# Altium PCB MotorDriver.PcbDoc
Units mil, origin at the board's own origin, x right, y up, seen from the top; angles counter-clockwise.
Board outline 3311.03 x 1798.03 mil, 2 copper layers (Top Layer, Bottom Layer); 56 components, 41 nets, 168 pads, 130 vias.
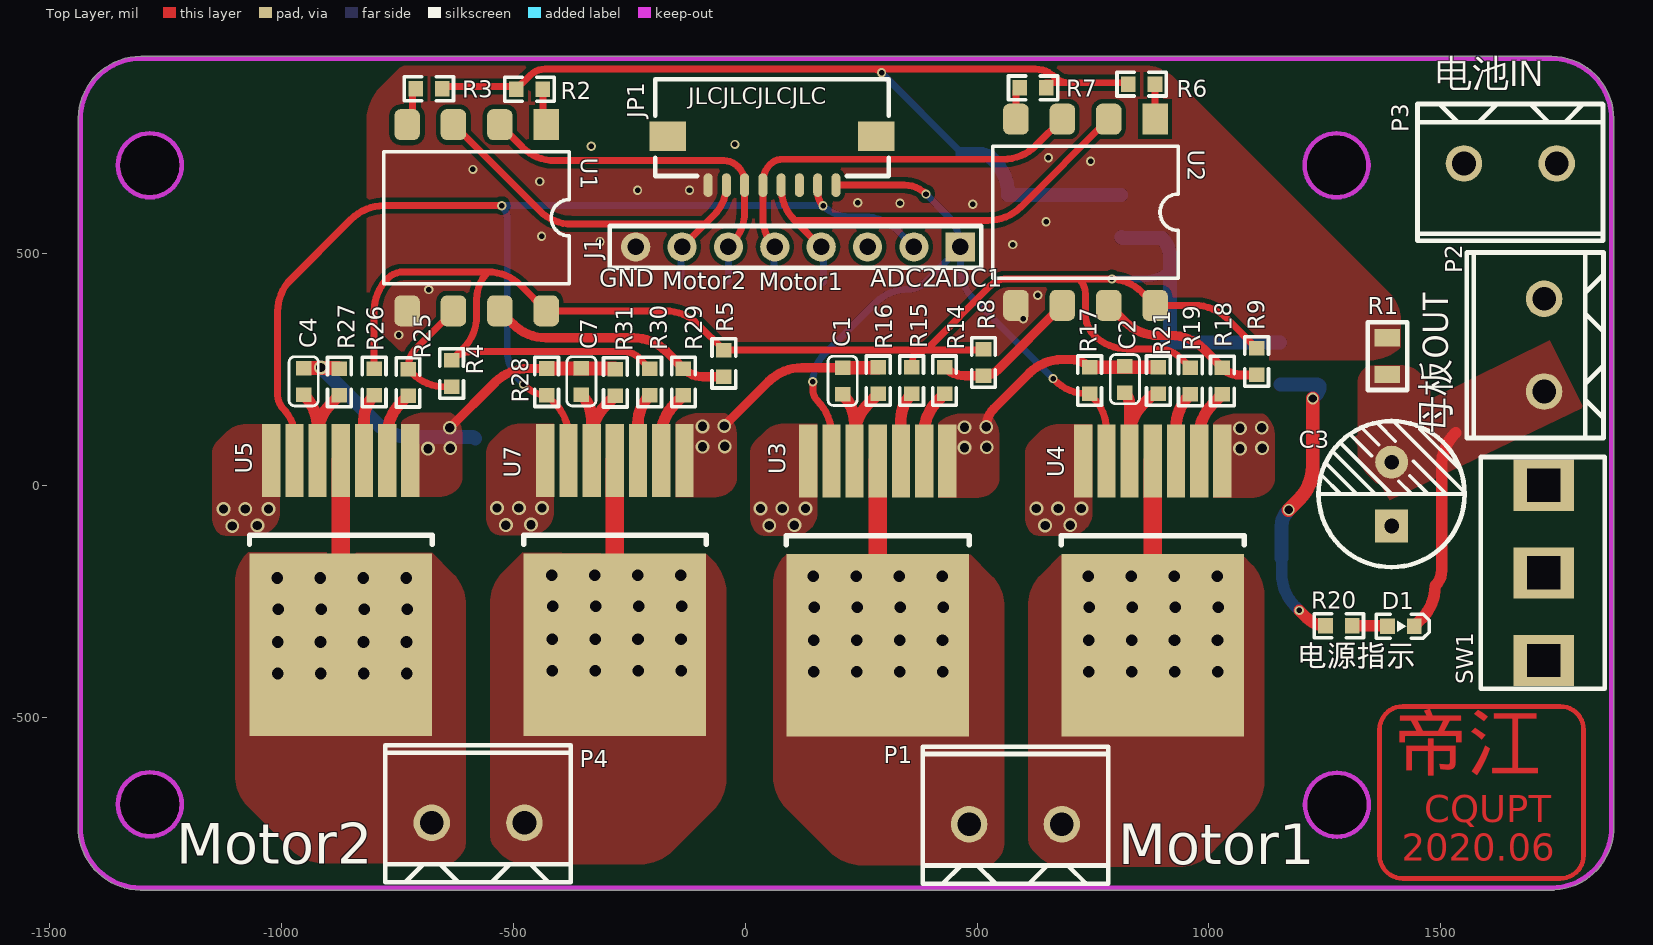
[diagram p0: Top Layer view]
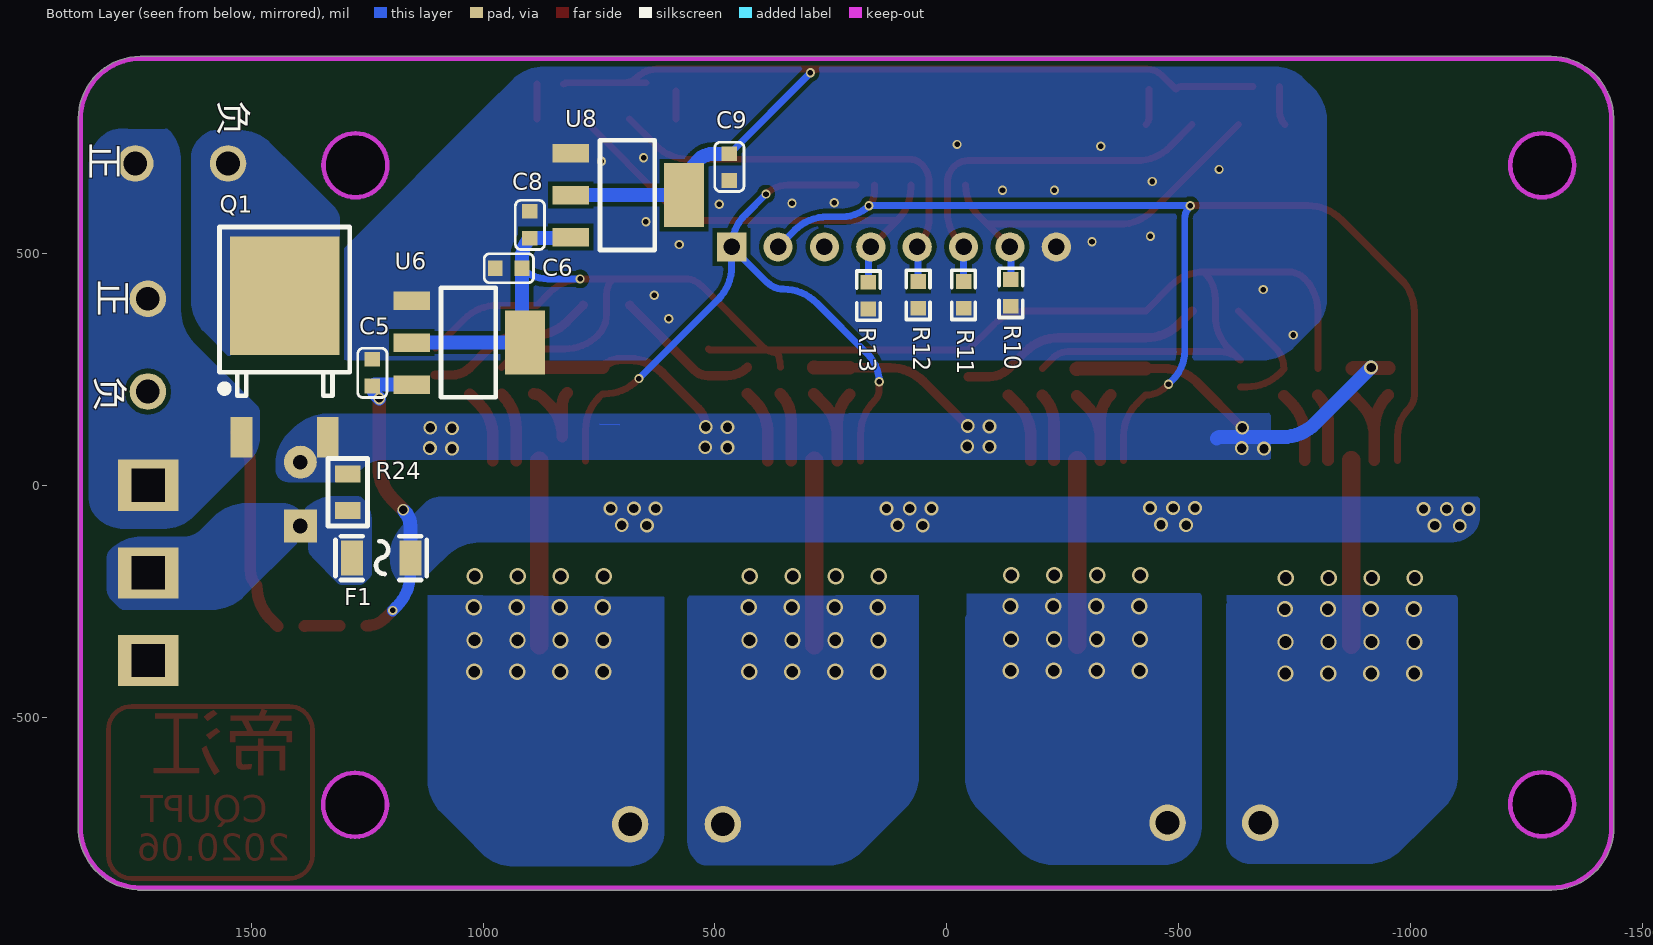
[diagram p1: Bottom Layer view, seen from below]
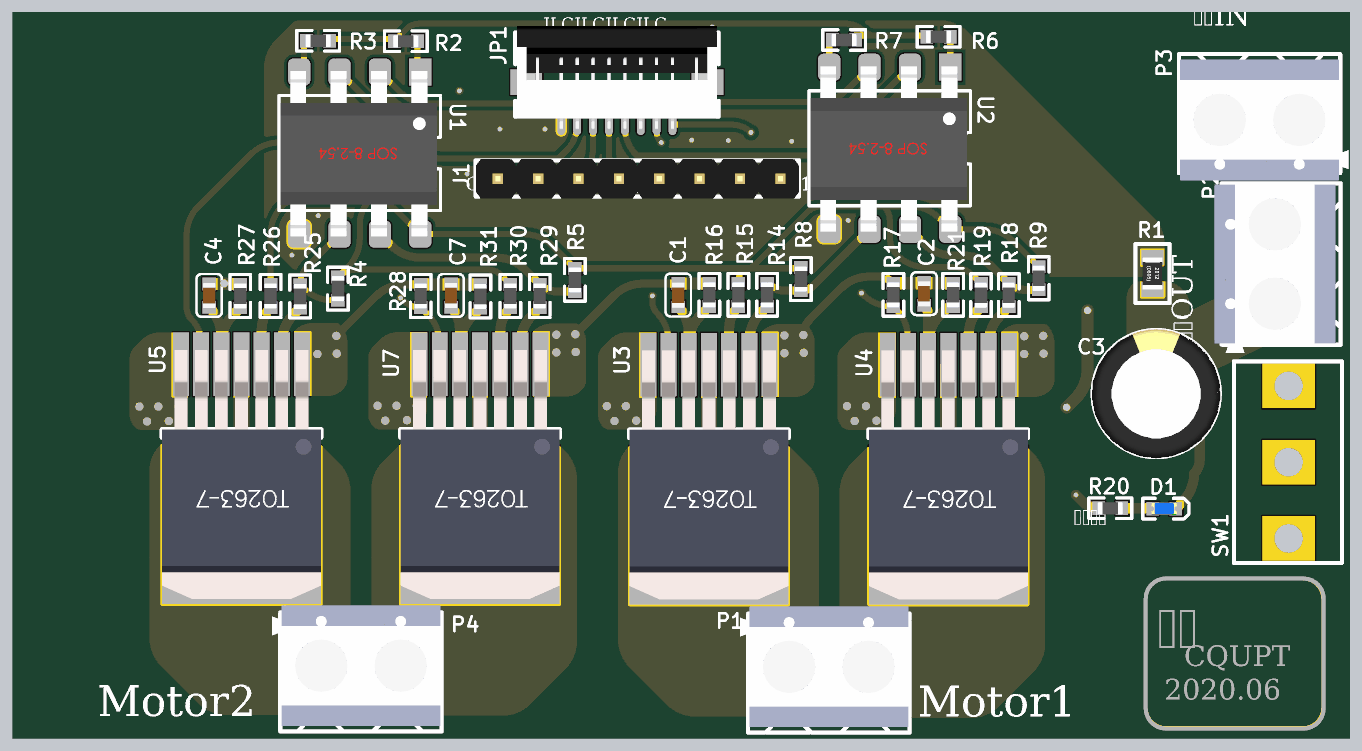
[diagram p2: 3D render of the assembled board from above, using the file's embedded part models]
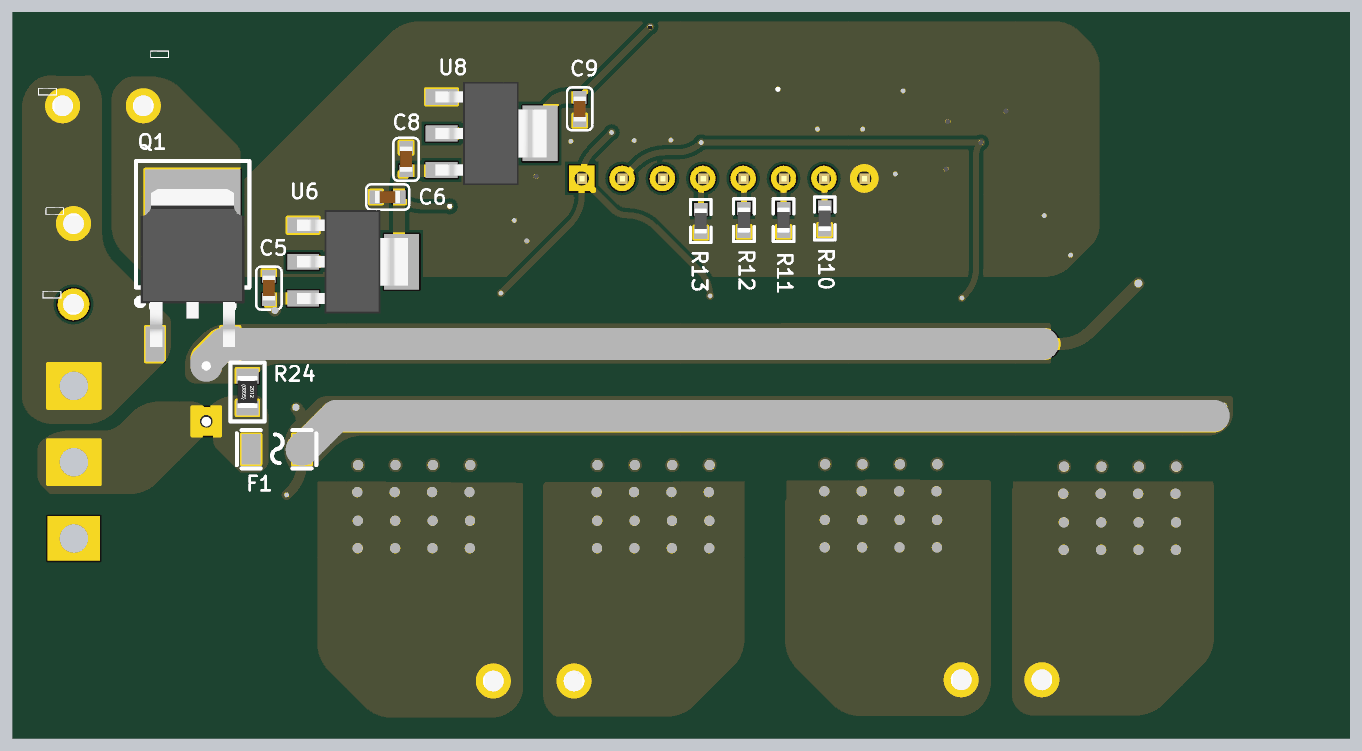
[diagram p3: 3D render of the assembled board from below, using the file's embedded part models]

## Layer stack, top to bottom
Top Solder: solder mask 0.4, Solder Resist, Dk 3.5
Top Layer: signal copper 1.4
Dielectric 1: dielectric 12.6, FR-4, Dk 4.8
Bottom Layer: signal copper 1.4
Bottom Solder: solder mask 0.4, Solder Resist, Dk 3.5

## Board outline
-1303.98,-871.93 cw(c-1303.08,-737) -1437.74,-745.64 cw(c-1433,-744) -1438.01,-744 -1438.01,792 cw(c-1433,792) -1437.92,792.95 cw(c-1303,791.08) -1303,926.01 1738,926.01 cw(c1738,921) 1738.9,925.93 cw(c1738.08,791) 1873.01,791 1873.01,-743 cw(c1868,-743) 1872.72,-744.71 cw(c1738,-737) 1745.71,-871.72 cw(c1744,-867) 1744,-872.01 -1303.08,-872.01 cw(c-1303.08,-867)
cut-out: -1283.71,-755.9 cw(c-1283.71,-687) -1352.61,-687 cw(c-1283.71,-687) -1283.71,-618.1 cw(c-1283.71,-687) -1214.81,-687 cw(c-1283.71,-687)
cut-out: -1283.71,622.1 cw(c-1283.71,691) -1352.61,691 cw(c-1283.71,691) -1283.71,759.9 cw(c-1283.71,691) -1214.81,691 cw(c-1283.71,691)
cut-out: 1207.39,-688 ccw(c1276.29,-688) 1276.29,-756.9 ccw(c1276.29,-688) 1345.19,-688 ccw(c1276.29,-688) 1276.29,-619.1 ccw(c1276.29,-688)
cut-out: 1275.29,622.1 cw(c1275.29,691) 1206.39,691 cw(c1275.29,691) 1275.29,759.9 cw(c1275.29,691) 1344.19,691 cw(c1275.29,691)

## Design rules (kind name [scope] priority, off if disabled: settings)
Clearance [All] p1: gap=10
PolygonConnect [All] p1: connectstyle=Direct reliefconductorwidth=10 reliefentries=4 polygonreliefangle="90 Angle" airgapwidth=10
RoutingVias [All] p1: holewidth=28 width=50 viastyle="Through Hole" minholewidth=28 minwidth=50 maxholewidth=28 maxwidth=50
SolderMaskExpansion [All] p1: expansion=4
Width [All] p1: maxlimit=500 minlimit=10 preferedwidth=20
30 further rules are at their usual default settings.

## Components (designator, comment, footprint, x,y, rotation, side; value= is the part's Value field where it differs from the comment)
C1 "104" CAP_0603 210,225.74 r270 top
C2 "104" CAP_0603 819,229.26 r270 top
C3 "470uF/35V" CAPE_TH_3.5_8 1394,-18 r90 top
C4 "104" CAP_0603 -952,224.74 r270 top
C5 "10uF/25V" CAP_0603 1239,243.74 r90 bottom
C6 "0.1uF/16V" CAP_0603 945,469 r0 bottom
C7 "104" CAP_0603 -353,224.74 r270 top
C8 "10uF/25V" CAP_0603 899,562.74 r90 bottom
C9 "0.1uF/16V" CAP_0603 469,687 r270 bottom
D1 "LED" LED_0603_B 1414,-303 r180 top
F1 "2A/16V" F1206 1219.99,-156 r0 bottom
J1 "Header" "Header 2.54X8" 114,515 r180 top
JP1 "FPC_8pin" FPC_1.0_8P 58,701 r180 top
P1 "KF-2P-5.08" KF_2P-5.08 583,-729.99 r0 top
P2 "KF-2P-5.08" KF_2P-5.08 1723,303 r90 top
P3 "KF-2P-5.08" KF_2P-5.08 1650,695 r180 top
P4 "KF-2P-5.08" KF_2P-5.08 -576,-727 r0 top
Q1 "IRLR7843TRPBF" TO-252-2 1428,257 r180 bottom
R1 "0Ω" RES_0805 1385,279.37 r270 top
R2 "390" RES_0603 -465,855 r180 top
R3 "390" RES_0603 -682,856 r0 top
R4 "390" RES_0603 -633,242 r90 top
R5 "390" RES_0603 -46,263.74 r90 top
R6 "390" RES_0603 855,866 r180 top
R7 "390" RES_0603 621,858 r0 top
R8 "390" RES_0603 514,265.74 r90 top
R9 "390" RES_0603 1103,267.74 r90 top
R10 "4.7k" RES_0603 -138,416 r90 bottom
R11 "4.7k" RES_0603 -36,411.74 r90 bottom
R12 "4.7k" RES_0603 62,411.74 r90 bottom
R13 "4.7k" RES_0603 169,409.74 r90 bottom
R14 "10k" RES_0603 430,226.74 r90 top
R15 "10k" RES_0603 359,226.74 r90 top
R16 "510" RES_0603 287,226.74 r90 top
R17 "470" RES_0603 743,226.74 r270 top
R18 "10k" RES_0603 1029,225.74 r90 top
R19 "10k" RES_0603 960,225.74 r90 top
R20 "2k" RES_0603 1280.26,-302 r0 top
R21 "510" RES_0603 891,226.74 r90 top
R24 "2M" RES_0805 1292,-14 r270 bottom
R25 "10k" RES_0603 -727,222.74 r90 top
R26 "10k" RES_0603 -800,223.74 r90 top
R27 "510" RES_0603 -875,223.74 r90 top
R28 "470" RES_0603 -428,224 r270 top
R29 "10k" RES_0603 -133,223.74 r90 top
R30 "10k" RES_0603 -206,223.74 r90 top
R31 "510" RES_0603 -280,222.74 r90 top
SW1 "PowerSwitch" SW-TH_K3-1260D-K1 1722,-188 r180 top
U1 "HCPL2630SD" SOP8_2_54 -429,778.57 r270 top
U2 "HCPL2630SD" SOP8_2_54 884,790.57 r270 top
U3 "BTN7971" TO263_7 286,-281 r270 top
U4 "BTN7971" TO263_7 879,-281 r270 top
U5 "BTN7971" TO263_7 -872,-280.01 r270 top
U6 "AMS1117-5.0" SOT-223_3 1031.95,308.55 r0 bottom
U7 "BTN7971" TO263_7 -281,-280.01 r270 top
U8 "AMS1117-3.3" SOT-223_3 688.95,626.55 r0 bottom

## Footprints (in the part's own frame and the unit in brackets; to place one, negate y for a bottom-side part, rotate by r counter-clockwise, add the part's x,y. Pads: shape width x height; smd on the part's side, far side on the other; paste and mask are expansions set on the pad)
CAP_0603 [mm]
  rect 0.8x0.85 smd: 1(-0.73,0) 2(0.73,0)
  silkscreen extent -1.36,-0.8 1.34,0.8, body extent -0.8,-0.4 0.8,0.4, height 0.6
CAPE_TH_3.5_8 [mm] "8X12"
  rect 1.8x1.8 hole 0.8: 1(-1.75,0)
  round 1.8 hole 0.8: 2(1.75,0)
  silkscreen extent -4,-4 4,4, body extent -4.08,-4.06 4.05,4.06, height 11.8
F1206 [mm]
  rect 1.2x1.9 smd: 1(-1.6,0) 2(1.6,0)
  silkscreen extent -2.5,-1.2 2.5,1.2
FPC_1.0_8P [mm]
  oval 0.5x1.3 smd: 1(-3.5,1.34) 2(-2.5,1.34) 3(-1.5,1.34) 4(-0.5,1.34) 5(0.5,1.34) 6(1.5,1.34) 7(2.5,1.34) 8(3.5,1.34)
  rect 2x1.6 smd: 9(-5.7,-1.34) 10(5.7,-1.34)
  silkscreen extent -6.4,-4.46 6.4,0.84, body extent -6.3,-4.86 6.3,1.64, height 2.2
"Header 2.54X8" [mm]
  rect 1.6x1.6 hole 0.9: 1(-8.89,0)
  round 1.6 hole 0.9: 2(-6.35,0) 3(-3.81,0) 4(-1.27,0) 5(1.27,0) 6(3.81,0) 7(6.35,0) 8(8.89,0)
  silkscreen extent -10.03,-1.14 10.31,1.14, body extent -10.03,-1.23 10.29,1.27, height 8.3
KF_2P-5.08 [mm] "WJ500V-5.08-2P"
  round 2 hole 1.3: 1(-2.54,0) 2(2.54,0)
  silkscreen extent -5.08,-3.25 5.08,4.24, body extent -5.6,-2.91 5,4.69, height 10.1
LED_0603_B [mm]
  rect 0.8x0.85 smd: A(0.73,0) C(-0.73,0)
  silkscreen extent -1.55,-0.65 1.35,0.65, body extent -0.81,-0.4 0.81,0.4, height 0.6
RES_0603 [mm]
  rect 0.8x0.85 smd: 1(-0.73,0) 2(0.73,0)
  silkscreen extent -1.35,-0.65 1.35,0.65, body extent -0.8,-0.4 0.8,0.4, height 0.38
RES_0805 [mm]
  rect 0.95x1.4 smd: 1(-1,0) 2(1,0)
  silkscreen extent -1.85,-1.08 1.85,1.08, body extent -1,-0.62 1,0.63, height 0.45
SOP8_2_54 [mm]
  rect 1.7x1.4 smd: 1(0,0)
  rrect50% 1.7x1.4 smd: 2(0,-2.54) 3(0,-5.08) 4(0,-7.62) 5(10.2,-7.62) 6(10.2,-5.08) 7(10.2,-2.54) 8(10.2,0)
  silkscreen extent 1.48,-8.89 8.72,1.27, body extent -0.06,-8.8 10.34,1.06, height 3
SOT-223_3 [mm]
  rect 2x1 smd: 1(3.1,-2.3) 2(3.1,0) 3(3.1,2.3)
  rect 2.2x3.5 smd: 4(-3.1,0)
  silkscreen extent -1.5,-3 1.5,3, body extent -3.5,-3.25 3.5,3.25, height 1.64
SW-TH_K3-1260D-K1 [mm]
  rect 3.3x2.8 hole 1.8 square: 1(0,4.8) 2(0,0) 3(0,-4.8)
  silkscreen extent -3.35,-6.35 3.44,6.35
TO263_7 [mm]
  rect 4x1 smd: 1(-8.5,3.81) 2(-8.5,2.54) 3(-8.5,1.27) 4(-8.5,0) 5(-8.5,-1.27) 6(-8.5,-2.54) 7(-8.5,-3.81)
  rect 10x10 smd: 8(1.6,0)
  silkscreen extent -4.4,-5 -3.9,5, body extent -9.4,-5 6.27,5, height 4.78
TO-252-2 [mil]
  rect 47.24x86.62 smd: 1(-93,-152.6) 3(93,-152.4)
  rect 236.22x255.9 smd: 4(0,152.6)
  silkscreen extent -141,-63 141,301, body extent -129,-160 129,231, height 94

## Part data
C1 C2 C4 C5 C6 C7 C8 C9: library part CAP_0603
C3: library part CAP_E_DIP, "直插电解电容"
D1: library part LED_0603, "发光LED"
F1: library part JK-NSMD100-16V
J1: library part "Header 2.54_8"
P1 P2 P3 P4: "端子2P"
Q1: "MOS管"
R1 R24: library part RES_0805
R2 R3 R4 R5 R6 R7 R8 R9 R10 R11 R12 R13 R14 R15 R16 R17 R18 R19 R20 R21 R25 R26 R27 R28 R29 R30 R31: library part RES_0603

## Via types
v1: diameter 35, hole 25, Top Layer to Bottom Layer, tented both sides, 64 vias
v2: diameter 30, hole 20, Top Layer to Bottom Layer, tented both sides, 36 vias
v3: diameter 20, hole 12, Top Layer to Bottom Layer, tented both sides, 28 vias
v4: diameter 25, hole 18, Top Layer to Bottom Layer, tented both sides, 2 vias

## Nets (pads, with @x,y where several pads share a name; then routed paths per layer and width w, separated by ;. In a path a pad name is that pad's centre, name@x,y a point inside that pad or via, vN(x,y) a via of type N, cw(c..) or ccw(c..) an arc to the next point about the centre after c; other vN are vias at no path point)
7.2V: C5.1 F1.1 R20.1 U3.7 U4.7 U5.7 U6.3 U7.7 | length 671.7
  Top Layer w25: v3(1195,-269) 1211.37,-285.37 ccw(c1251.52,-245.22) R20.1
  Top Layer w30: v4(1172,-52) 1194.71,-29.29 ccw(c1124,41.42) 1224,41.42 v4(1224,188)
  Bottom Layer w25: F1.1 1157,-189.58 ccw(c1257,-189.58) 1186.29,-260.29 v3(1195,-269)
  Bottom Layer w30: U6.3 1231.76,218 cw(c1231.76,207.76) C5.1 cw(c1210.03,215) 1230.51,194.51 v4(1224,188) ; F1.1 1157,-86.38 cw(c1201.38,-86.38) v4@1170,-55
  other v2: -1106,-87 -1052,-86 52,-86 647,-86 -516,-85 106,-85 701,-85 -462,-84 -1125,-50 -1078,-50 -1028,-50 33,-49 80,-49 130,-49 628,-49 675,-49 725,-49 -535,-48 -488,-48 -438,-48
ADC1: J1.1 JP1.1 R17.2 U3.6 U4.6 | length 1575.7
  Top Layer w15: v3(146,224) 146,208.15 ccw(c182.57,208.15) 156.71,182.29 cw(c86,111.58) 186,111.58 U3.6 ; JP1.1 343.54,648.24 cw(c343.54,582.54) v3(390,629) ; v3(664,231) 667.71,227.29 ccw(c738.42,298) 738.42,198 R17.2 749.71,191.29 cw(c679,120.58) 779,120.58 U4.6
  Bottom Layer w15: v3(146,224) cw(c230.5,224) 170.75,283.75 281.71,394.71 cw(c352.42,324) 352.42,424 ccw(c352.42,473.68) 387.55,438.55 J1.1 ; v3(390,629) 435.72,583.28 cw(c367.43,515) J1.1 ; v3(664,231) 493.29,401.71 cw(c564,472.42) 464,472.42 J1.1
ADC2: J1.2 JP1.2 R28.2 U5.6 U7.6 | length 2500.7
  Top Layer w15: U5.6 -972,108.06 ccw(c-1053.94,108.06) -996,166 cw(c-967.03,194.97) -1008,194.97 -1008,375.58 cw(c-908,375.58) -986.36,437.7 -849.35,574.71 cw(c-778.64,504) -778.64,604 v3(-525,604) ; v3(-478,219) -472.83,213.83 ccw(c-428,258.66) R28.2 -410.29,177.55 cw(c-481,106.84) -381,106.84 U7.6 ; JP1.2 156.43,631.94 ccw(c195.94,631.94) v3(168,604)
  Bottom Layer w15: v3(-478,219) -486.76,227.76 cw(c-423.4,291.11) -513,291.11 -513,575.03 ccw(c-553.97,575.03) v3(-525,604) v3(168,604) ccw(c225.94,661.94) 225.94,580 257.58,580 cw(c257.58,480) 328.29,550.71 J1.2
GND: C5.2 C6.2 C8.2 C9.2 J1.8 JP1.8 R1.1 R10.1 R11.1 R12.1 R13.1 U1.5 U2.5 U6.1 U8.1
  other v3: -747,325 600,360 631,411 -682,423 577,520 -313,526 -439,538 649,569 491,607 334,609 243,610 -232,637 -120,637 -443,656 -587,682 745,700 654,707 -332,732 -22,736
MOTOR1+: P1.2 U4.4 U4.8 | length 397.6
  Top Layer w40: U4.8 U4.4
  other v1: 741,-401 833.67,-401 926.33,-401 1019,-401 740.67,-333 833.33,-333 926,-333 1018.67,-333 742,-262 834.67,-262 927.33,-262 1020,-262 740,-195 832.67,-195 925.33,-195 1018,-195
MOTOR1-: P1.1 U3.4 U3.8 | length 397.6
  Top Layer w40: U3.8 U3.4
  other v1: 148,-401 240.67,-401 333.33,-401 426,-401 147.67,-333 240.33,-333 333,-333 425.67,-333 149,-262 241.67,-262 334.33,-262 427,-262 147,-195 239.67,-195 332.33,-195 425,-195
MOTOR2+: P4.2 U7.4 U7.8 | length 397.6
  Top Layer w40: U7.8 U7.4
  other v1: -416,-399 -323.33,-399 -230.67,-399 -138,-399 -416.33,-331 -323.67,-331 -231,-331 -138.33,-331 -415,-260 -322.33,-260 -229.67,-260 -137,-260 -417,-193 -324.33,-193 -231.67,-193 -139,-193
MOTOR2-: P4.1 U5.4 U5.8 | length 397.6
  Top Layer w40: U5.8 U5.4
  other v1: -1008,-405 -915.33,-405 -822.67,-405 -730,-405 -1008.33,-337 -915.67,-337 -823,-337 -730.33,-337 -1007,-266 -914.33,-266 -821.67,-266 -729,-266 -1009,-199 -916.33,-199 -823.67,-199 -731,-199
NetC1_2: C1.2 R16.1 U3.5 | length 259.5
  Top Layer w25: C1.2 cw(c147.23,134.23) 236,134.23 U3.5@236,105.58 ; U3.5 U3.5@236,105.58 ; R16.1 265.29,176.29 ccw(c336,105.58) U3.5@236,105.58
NetC2_2: C2.2 R21.1 U4.5 | length 216.7
  Top Layer w25: C2.2 cw(c794.86,176.38) 829,176.38 829,105.58 cw(c929,105.58) 858.29,176.29 872.22,190.22 cw(c891,171.44) R21.1
NetC3_1: C3.1 F1.2 R24.2 SW1.2
NetC4_2: C4.2 R27.1 U5.5 | length 253.1
  Top Layer w25: C4.2 -951.29,195.29 cw(c-1022,124.58) -922,124.58 U5.5@-922,106.58 ; U5.5 U5.5@-922,106.58 ; R27.1 -892.71,177.29 ccw(c-822,106.58) U5.5@-922,106.58
NetC7_2: C7.2 R31.1 U7.5 | length 256.5
  Top Layer w25: C7.2 cw(c-406.11,142.89) -331,142.89 U7.5@-331,101.58 ; U7.5 U7.5@-331,101.58 ; R31.1 -301.71,172.29 ccw(c-231,101.58) U7.5@-331,101.58
NetD1_A: D1.A R20.2 | length 76.5
  Top Layer w25: R20.2 1382.85,-302 cw(c1382.85,-305.41) D1.A
NetD2_A: 
NetD3_A: 
NetR2_1: R2.1 U1.1 | length 78.4
  Top Layer w15: R2.1 -436.26,796.1 ccw(c-411.47,796.1) U1.1
NetR3_1: R3.1 U1.4 | length 85.4
  Top Layer w15: U1.4 ccw(c-756.18,805.76) -717.74,805.76 R3.1@-717.74,861
NetR6_1: R6.1 U2.1 | length 75.5
  Top Layer w15: R6.1 883.74,790.83 U2.1
NetR7_1: R7.1 U2.4 | length 60.9
  Top Layer w15: U2.4 R7.1@584,851.47
NetR14_1: R14.1 U3.2 | length 158.3
  Top Layer w25: U3.2 386,112.58 cw(c486,112.58) 415.29,183.29 R14.1
NetR15_1: R15.1 U3.3 | length 150.5
  Top Layer w25: U3.3 336,142.47 cw(c414.53,142.47) R15.1
NetR18_1: R18.1 U4.2 | length 159.8
  Top Layer w25: U4.2 979,105.58 cw(c1079,105.58) 1008.29,176.29 R18.1
NetR19_1: R19.1 U4.3 | length 151.9
  Top Layer w25: U4.3 929,124.58 cw(c1029,124.58) 958.29,195.29 R19.1
NetR25_1: R25.1 U5.2 | length 153.7
  Top Layer w25: U5.2 -772,107.58 cw(c-672,107.58) -742.71,178.29 R25.1
NetR26_1: R26.1 U5.3 | length 146.2
  Top Layer w25: U5.3 -822,141.89 cw(c-746.89,141.89) R26.1
NetR29_1: R29.1 U7.2 | length 155.9
  Top Layer w25: U7.2 -181,105.58 cw(c-81,105.58) -151.71,176.29 R29.1
NetR30_1: R30.1 U7.3 | length 147
  Top Layer w25: U7.3 -231,134.64 cw(c-145.64,134.64) R30.1
P1+: R9.1 R18.2 U2.7 | length 370.3
  Top Layer w20: U2.7 819.71,353.29 ccw(c890.42,424) 890.42,324 918.06,324 cw(c918.06,224) 988.77,294.71 R18.2 ccw(c1066.37,291.85) 1066.37,239 R9.1
P1-: R8.1 R14.2 U2.6 | length 320
  Top Layer w20: R14.2 ccw(c474.62,300.1) 474.62,237 R8.1 ccw(c514,280.46) 544.73,249.73 U2.6
P2+: R5.1 R29.2 U1.7 | length 530.6
  Top Layer w20: U1.7 -500.29,348.29 ccw(c-429.58,419) -429.58,319 -240.94,319 cw(c-240.94,219) -170.23,289.71 R29.2 ccw(c-90.8,294.68) -90.8,235 R5.1
P2-: R4.1 R25.2 U1.6 | length 268.8
  Top Layer w15: R4.1 -647.36,213.26 cw(c-647.36,313.26) -718.07,242.55 R25.2 cw(c-660.56,251.48) -707.54,298.46 U1.6
PGND: C1.1 C2.1 C3.2 C4.1 C7.1 D1.C P2.1 Q1.3 R1.2 R16.2 R17.1 R21.2 R24.1 R27.2 R28.1 R31.2 U3.1 U4.1 U5.1 U7.1 | length 2140.4
  Top Layer w20: v2(-637,125) -538.55,223.45 cw(c-467.84,152.74) -467.84,252.74 R28.1 ; v2(-45,129) 51.19,225.19 cw(c121.9,154.48) 121.9,254.48 C1.1 ; v2(520,127) cw(c575.53,127) 536.26,166.26 612.71,242.71 cw(c683.42,172) 683.42,272 703.12,272 cw(c703.12,215.6) R17.1
  Top Layer w25: D1.C 1458.71,-287.03 ccw(c1388,-216.32) 1488,-216.32 ccw(c1454.2,-182.52) 1502,-182.52 1502,42.58 cw(c1602,42.58) 1531.29,113.29 1532,114
  Top Layer w30: C4.1 -877.41,253.48 cw(c-877.41,250.07) R27.2 ; R28.1 -283.04,252.74 cw(c-283.04,248.44) R31.2 ; C1.1 284.59,254.48 ccw(c284.59,257.89) R16.2 ; R17.1 R21.2
  Bottom Layer w30: v2(-915,255) -794.29,134.29 ccw(c-723.58,205) -723.58,105 -589.24,105 cw(c-589.24,94.76) -582,102
  other v2: -684,80 1067,80 -636,81 1115,81 473,82 521,83 -92,84 -44,85 1067,124 1114,125 473,126 -92,128
POWERIN: P2.2 P3.1 Q1.1 SW1.3
PWM1+: J1.4 JP1.4 R13.2 U2.2 | length 1005.8
  Top Layer w15: JP1.4 77.69,642.74 ccw(c177.69,642.74) 106.97,572.03 ; J1.4 106.97,572.03 ; U2.2 594.74,601.31 cw(c524.03,672.03) 524.03,572.03 106.97,572.03
  Bottom Layer w15: J1.4 cw(c151.93,502.93) 169,502.93 R13.2
PWM1-: J1.5 JP1.5 R12.2 U2.3 | length 928.6
  Top Layer w15: J1.5 cw(c126.01,577.01) 38.31,577.01 JP1.5 38.31,655.13 cw(c91.87,655.13) 54,693 cw(c80.56,666.44) 80.56,704 556,704 ccw(c556,804) 626.71,733.29 U2.3
  Bottom Layer w15: R12.2 62,510.17 cw(c68.83,510.17) J1.5
PWM2+: J1.6 JP1.6 R11.2 U1.2 | length 806.8
  Top Layer w15: U1.2 -480.71,730.29 ccw(c-410,801) -410,701 -46,701 cw(c-46,657.54) -15.27,688.27 -15,688 cw(c-48.67,654.33) -1.06,654.33 JP1.6 -1.06,591.37 cw(c-101.06,591.37) -30.34,520.66 J1.6
  Bottom Layer w15: R11.2 J1.6
PWM2-: J1.7 JP1.7 R10.2 U1.3 | length 866.3
  Top Layer w15: U1.3 -443.71,593.29 ccw(c-373,664) -373,564 -87,564 ; J1.7 -87,564 ; JP1.7 cw(c-131.37,648.24) -67.06,583.94 -87,564
  Bottom Layer w15: R10.2 -138,510.17 cw(c-131.17,510.17) J1.7
VCC_3.3V: C9.1 R2.2 R3.2 R6.2 R7.2 U8.2 U8.4 | length 2228.6
  Top Layer w15: R3.2@-660.26,861 -508.23,861 cw(c-508.23,840.51) R2.2 -463.14,885.6 cw(c-432,854.46) -432,898.5 275,898.5 ; v3(294.19,890.55) ccw(c275,871.36) 275,898.5 ; R7.2@648.74,869 696.97,869 ; R6.2 ccw(c819.02,858.76) 819.02,869 696.97,869 ; 275,898.5 625.75,898.5 cw(c625.75,838.75) 668,881 ccw(c696.97,909.97) 696.97,869
  Bottom Layer w15: v3(294.19,890.55) C9.1
  Bottom Layer w30: C9.1 504.24,715.74 cw(c504.24,672.24) 535,703 537.62,700.38 cw(c466.91,629.67) 566.91,629.67 U8.4 U8.2
VCC_5V: C6.1 C8.1 R4.2 R5.2 R8.2 R9.2 R15.2 R19.2 R26.2 R30.2 U1.8 U2.8 U6.2 U6.4 U8.3 | length 4153.1
  Top Layer w15: R26.2 -800,376.99 cw(c-700.99,376.99) -771,447 cw(c-737.2,413.2) -737.2,461 -554.42,461 ; R30.2 -230.16,276.64 ccw(c-260,246.8) -260,289 -588.92,289 ccw(c-588.92,226.66) R4.2 -608.29,295.45 ccw(c-679,366.16) -579,366.16 -579,401.66 cw(c-495.08,401.66) -554.42,461 ; R15.2 359,256.27 cw(c410.21,256.27) 361.43,271.86 cw(c391.78,271.86) 365.48,287 ccw(c365.48,334.13) 387.54,292.48 ; R8.2 cw(c509.17,299.31) 509.17,292.48 387.54,292.48 ; R19.2 939.62,274.86 ccw(c891,226.24) 891,295 823.42,295 cw(c823.42,395) 752.71,324.29 cw(c797.88,369.46) 734,369.46 734,412.2 ccw(c686.2,412.2) 720,446 ; R9.2 1039.77,359.71 ccw(c969.06,289) 969.06,389 U2.8 856.29,416.71 ccw(c785.58,346) 785.58,446 720,446 ; -554.42,461 cw(c-554.42,361) -483.71,431.71 U1.8 -171.94,377 cw(c-171.94,277) -101.23,347.71 R5.2 387.54,292.48 ; 387.54,292.48 ccw(c365.48,334.13) 398.8,300.8 529.56,431.56 cw(c564.42,396.7) 564.42,446 720,446
  Bottom Layer w15: v3(791,446) 860.73,446 ccw(c860.73,524.53) C6.1
  Bottom Layer w30: U8.3 ccw(c815.83,540.83) 815.83,534 C8.1 cw(c857.33,492.33) 916.26,492.33 C6.1 916.26,323.89 cw(c894.56,323.89) U6.4 U6.2
VEE: P3.2 Q1.4
pads on no net: J1.3 JP1.3 JP1.9 JP1.10 SW1.1
copper on no net: | length 1534.2
  Top Layer w10: 1418,-476 ccw(c1418,-526) 1368,-526 1368,-797 ccw(c1418,-797) 1418,-847 1758,-847 ccw(c1758,-797) 1808,-797 1808,-526 ccw(c1758,-526) 1758,-476 1420,-476

## Polygon pours and split planes (outlines as drawn)
GND on Top Layer "Top Layer-No Net" (solid, remove dead copper, pour order 72): 1414,299 cw(c1346.4,366.6) 1346.4,271 1216,271 -683.58,271 cw(c-683.58,371) -754.29,300.29 -809,355 cw(c-792.1,371.9) -816,371.9 -816,511 -816,788.58 cw(c-716,788.58) -786.71,859.29 -747,899 cw(c-727.69,879.69) -727.69,907 -666,907 856.58,907 cw(c856.58,807) 927.29,877.71 1078,727 1389.25,415.75 cw(c1329.5,356) 1414,356
PGND on Top Layer "Top Layer-No Net" (solid, remove dead copper, pour order 70): 1357,260 1414,260 cw(c1414,202.06) 1454.97,243.03 1463,235 cw(c1429.2,201.2) 1477,201.2 1477,107 cw(c1419.06,107) 1460.03,66.03 1406,12 cw(c1386.69,31.31) 1386.69,4 1367,4 cw(c1367,13.66) 1360.17,6.83 1341,26 cw(c1389.28,74.28) 1321,74.28 1321,221 cw(c1362.04,221) 1333.02,250.02 1342,259
PGND on Top Layer "Top Layer-No Net" (solid, remove dead copper, pour order 64): 1751,281 1807,169 1390.2,-31.2 1310,104 1734.8,313.4
PGND on Top Layer "Top Layer-No Net" (solid, remove dead copper, pour order 44): 1010,-26 1043,-26 1092.37,-26 ccw(c1092.37,28.63) 1131,-10 ccw(c1104.44,16.56) 1142,16.56 1142,32 1142,106.13 ccw(c1077.13,106.13) 1123,152 ccw(c1115.76,144.76) 1115.76,155 1063,155 1058.28,155 ccw(c1058.28,86.72) 1010,135
PGND on Top Layer "Top Layer-No Net" (solid, remove dead copper, pour order 42): 416,-26.26 449,-26.26 498.37,-26.26 ccw(c498.37,28.37) 537,-10.26 ccw(c510.44,16.3) 548,16.3 548,31.74 548,105.87 ccw(c483.13,105.87) 529,151.74 ccw(c521.76,144.5) 521.76,154.74 469,154.74 464.28,154.74 ccw(c464.28,86.46) 416,134.74
PGND on Top Layer "Top Layer-No Net" (solid, remove dead copper, pour order 40): -150,-25.26 -117,-25.26 -67.63,-25.26 ccw(c-67.63,29.37) -29,-9.26 ccw(c-55.56,17.3) -18,17.3 -18,32.74 -18,106.87 ccw(c-82.87,106.87) -37,152.74 ccw(c-44.24,145.5) -44.24,155.74 -97,155.74 -101.72,155.74 ccw(c-101.72,87.46) -150,135.74
PGND on Top Layer "Top Layer-No Net" (solid, remove dead copper, pour order 38): -742,-24 -709,-24 -659.63,-24 ccw(c-659.63,30.63) -621,-8 ccw(c-647.56,18.56) -610,18.56 -610,34 -610,108.13 ccw(c-674.87,108.13) -629,154 ccw(c-636.24,146.76) -636.24,157 -689,157 -693.72,157 ccw(c-693.72,88.72) -742,137
7.2V on Top Layer "Top Layer-No Net" (solid, remove dead copper, pour order 30): -1004,133 -1077,133 ccw(c-1077,75.06) -1117.97,116.03 -1138,96 ccw(c-1111.44,69.44) -1149,69.44 -1149,-19 -1149,-69.62 ccw(c-1104.62,-69.62) -1136,-101 ccw(c-1119.1,-84.1) -1119.1,-108 -1061,-108 -1056.63,-108 ccw(c-1056.63,-53.37) -1018,-92 ccw(c-1051.8,-58.2) -1004,-58.2 -1004,-46
7.2V on Top Layer "Top Layer-No Net" (solid, remove dead copper, pour order 28): -413,134 -486,134 ccw(c-486,76.06) -526.97,117.03 -547,97 ccw(c-520.44,70.44) -558,70.44 -558,-18 -558,-68.62 ccw(c-513.62,-68.62) -545,-100 ccw(c-528.1,-83.1) -528.1,-107 -470,-107 -465.63,-107 ccw(c-465.63,-52.37) -427,-91 ccw(c-460.8,-57.2) -413,-57.2 -413,-45
7.2V on Top Layer "Top Layer-No Net" (solid, remove dead copper, pour order 26): 156,133.62 83,133.62 ccw(c83,75.67) 42.03,116.64 22,96.62 ccw(c48.56,70.06) 11,70.06 11,-18.38 11,-69 ccw(c55.38,-69) 24,-100.38 ccw(c40.9,-83.49) 40.9,-107.38 99,-107.38 103.37,-107.38 ccw(c103.37,-52.76) 142,-91.38 ccw(c108.2,-57.59) 156,-57.59 156,-45.38
7.2V on Top Layer "Top Layer-No Net" (solid, remove dead copper, pour order 24): 749,133 676,133 ccw(c676,75.06) 635.03,116.03 615,96 ccw(c641.56,69.44) 604,69.44 604,-19 604,-69.62 ccw(c648.38,-69.62) 617,-101 ccw(c633.9,-84.1) 633.9,-108 692,-108 696.37,-108 ccw(c696.37,-53.37) 735,-92 ccw(c701.2,-58.2) 749,-58.2 749,-46
MOTOR1+ on Top Layer "Top Layer-No Net" (solid, remove dead copper, pour order 10): 1077,-154 1089.71,-166.71 cw(c1019,-237.42) 1119,-237.42 1119,-378 1119,-636.58 cw(c1019,-636.58) 1089.71,-707.29 1030,-767 1004.29,-792.71 cw(c933.58,-722) 933.58,-822 688,-822 cw(c688,-744.75) 633.37,-799.37 623,-789 cw(c654.38,-757.62) 610,-757.62 610,-597 610,-261.42 cw(c710,-261.42) 639.29,-190.71 680,-150
MOTOR2+ on Top Layer "Top Layer-No Net" (solid, remove dead copper, pour order 8): -83,-148 -70.29,-160.71 cw(c-141,-231.42) -41,-231.42 -41,-372 -41,-630.58 cw(c-141,-630.58) -70.29,-701.29 -130,-761 -155.71,-786.71 cw(c-226.42,-716) -226.42,-816 -472,-816 cw(c-472,-738.75) -526.63,-793.37 -537,-783 cw(c-505.62,-751.62) -550,-751.62 -550,-591 -550,-255.42 cw(c-450,-255.42) -520.71,-184.71 -480,-144
MOTOR1- on Top Layer "Top Layer-No Net" (solid, remove dead copper, pour order 4): 486,-149 529.71,-192.71 cw(c459,-263.42) 559,-263.42 559,-731 559,-768 cw(c505.89,-768) 543.44,-805.56 539,-810 cw(c519.69,-790.69) 519.69,-818 358,-818 252.42,-818 cw(c252.42,-718) 181.71,-788.71 102,-709 90.29,-697.29 cw(c161,-626.58) 61,-626.58 61,-212 cw(c147.91,-212) 86.46,-150.54 90,-147
MOTOR2- on Top Layer "Top Layer-No Net" (solid, remove dead copper, pour order 2): -675,-145 -631.29,-188.71 cw(c-702,-259.42) -602,-259.42 -602,-727 -602,-764 cw(c-655.11,-764) -617.56,-801.56 -622,-806 cw(c-641.31,-786.69) -641.31,-814 -803,-814 -908.58,-814 cw(c-908.58,-714) -979.29,-784.71 -1059,-705 -1070.71,-693.29 cw(c-1000,-622.58) -1100,-622.58 -1100,-208 cw(c-1013.09,-208) -1074.54,-146.54 -1071,-143
MOTOR2- on Bottom Layer "Top Layer-No Net" (solid, remove dead copper, pour order 86): -827,-236 -604,-236 -604,-248.59 cw(c-607.41,-248.59) -605,-251 cw(c-612.24,-258.24) -602,-258.24 -602,-416 -602,-763.79 cw(c-653.21,-763.79) -617,-800 cw(c-653.21,-763.79) -653.21,-815 -824,-815 -908.58,-815 cw(c-908.58,-715) -979.29,-785.71 -1029,-736 -1072.71,-692.29 cw(c-1002,-621.58) -1102,-621.58 -1102,-541 -1102,-245.66 cw(c-1088.34,-245.66) -1098,-236
MOTOR2+ on Bottom Layer "Top Layer-No Net" (solid, remove dead copper, pour order 84): -237,-231 ccw(c-232.17,-226.17) -232.17,-233 -43,-233 -43,-277.59 ccw(c-39.59,-277.59) -42,-280 cw(c-46.83,-284.83) -40,-284.83 -40,-603 -40,-628.58 cw(c-140,-628.58) -69.29,-699.29 -77,-707 -157.71,-787.71 cw(c-228.42,-717) -228.42,-817 -262,-817 -469.89,-817 cw(c-469.89,-741.89) -523,-795 cw(c-457.82,-729.82) -550,-729.82 -550,-696 -550,-241.66 cw(c-536.34,-241.66) -546,-232
MOTOR1- on Bottom Layer "Top Layer-No Net" (solid, remove dead copper, pour order 82): 240,-237 ccw(c237.59,-239.41) 237.59,-236 102,-236 61,-236 61,-254 61,-625.58 ccw(c161,-625.58) 90.29,-696.29 147,-753 182.71,-788.71 ccw(c253.42,-718) 253.42,-818 339,-818 522.1,-818 ccw(c522.1,-794.1) 539,-811 ccw(c488.3,-760.3) 560,-760.3 560,-746 560,-249.07 ccw(c542.93,-249.07) 555,-237
MOTOR1+ on Bottom Layer "Top Layer-No Net" (solid, remove dead copper, pour order 80): 1001,-236 1119,-236 1119,-271 1119,-634.58 cw(c1019,-634.58) 1089.71,-705.29 1043,-752 1003.29,-791.71 cw(c932.58,-721) 932.58,-821 867,-821 688.94,-821 cw(c688.94,-739.06) 631,-797 cw(c684.11,-743.89) 609,-743.89 609,-650 609,-243.83 cw(c615.83,-243.83) 611,-239
GND on Bottom Layer "Top Layer-No Net" (solid, remove dead copper, pour order 76): 1417,297 cw(c1414.59,297) 1416.29,295.29 1415,294 cw(c1359.47,349.53) 1359.47,271 1329,271 -679.58,271 cw(c-679.58,371) -750.29,300.29 -796,346 cw(c-740.47,401.53) -819,401.53 -819,575 -819,787.58 cw(c-719,787.58) -789.71,858.29 -770,878 cw(c-707.23,815.23) -707.23,904 -699,904 866.58,904 cw(c866.58,804) 937.29,874.71 992,820 1387.71,424.29 cw(c1317,353.58) 1417,353.58 1417,352
GND on Bottom Layer "Top Layer-No Net" (solid, remove dead copper, pour order 74): 1414,336 1414,309.41 cw(c1410.59,309.41) 1413,307 1413,300
POWERIN on Bottom Layer "Top Layer-No Net" (solid, remove dead copper, pour order 66): 1707,769 1766,769 cw(c1768.41,766.59) 1768.41,770 1772,770 1780.54,770 cw(c1780.54,708.54) 1824,752 cw(c1758.82,686.82) 1851,686.82 1851,487 1851,-23.13 cw(c1786.13,-23.13) 1832,-69 cw(c1774.06,-11.06) 1774.06,-93 1722,-93 1692.42,-93 cw(c1692.42,7) 1621.71,-63.71 1607,-49 1501.09,56.91 cw(c1547.18,103) 1482,103 1482,161.34 cw(c1495.66,161.34) 1486,171 1622.71,307.71 ccw(c1552,378.42) 1652,378.42 1652,468 1652,699.99 cw(c1751.01,699.99) 1681,770
VEE on Bottom Layer "Top Layer-No Net" (solid, remove dead copper, pour order 60): 1309,539 1309,573 cw(c1347.63,573) 1320.31,600.31 1403,683 1457.71,737.71 cw(c1528.42,667) 1528.42,767 1577,767 cw(c1577,728.37) 1604.31,755.69 1614,746 cw(c1577.79,709.79) 1629,709.79 1629,660 1629,400.42 cw(c1529,400.42) 1599.71,329.71 1548,278
NetC3_1 on Bottom Layer "Top Layer-No Net" (solid, remove dead copper, pour order 58): 1377,-124 1377,-133 cw(c1345.62,-133) 1367.81,-155.19 1313,-210 cw(c1303.34,-200.34) 1303.34,-214 1268,-214 cw(c1268,-194.69) 1254.34,-208.34 1245,-199 cw(c1257.07,-186.93) 1240,-186.93 1240,-94 1240,-79.11 cw(c1315.11,-79.11) 1262,-26 cw(c1269.24,-33.24) 1269.24,-23 1314,-23 1321.23,-23 cw(c1321.23,-111.77) 1384,-49
NetC3_1 on Bottom Layer "Top Layer-No Net" (solid, remove dead copper, pour order 56): 1399,-51 cw(c1430.38,-82.38) 1430.38,-38 1437,-38 1510.58,-38 cw(c1510.58,-138) 1581.29,-67.29 1607,-93 ccw(c1648.04,-51.96) 1648.04,-110 1736,-110 cw(c1736,-206.57) 1804.28,-138.28 1805,-139 cw(c1788.1,-155.9) 1812,-155.9 1812,-220 cw(c1773.37,-220) 1800.69,-247.31 1784,-264 cw(c1776.76,-256.76) 1776.76,-267 1666,-267 1585.42,-267 cw(c1585.42,-167) 1514.71,-237.71 1402,-125
PGND on Bottom Layer "Top Layer-No Net" (solid, remove dead copper, pour order 48): 1118,155 1336.58,155 cw(c1336.58,55) 1407.29,125.71 1420,113 cw(c1354.82,47.82) 1447,47.82 1447,36 1447,32.9 cw(c1423.1,32.9) 1440,16 cw(c1418.27,37.73) 1418.27,7 1328,7 cw(c1328,96.33) 1264.84,33.16 1261,37 ccw(c1215.13,-8.87) 1215.13,56 1070,56 -694.17,56 cw(c-694.17,62.83) -699,58 -699,97 -699,154.59 ccw(c-702.41,154.59) -700,157
7.2V on Bottom Layer "Top Layer-No Net" (solid, remove dead copper, pour order 32): 1186,-203 ccw(c1108.7,-151.79) 1175.91,-87.91 1126,-38 ccw(c1092.21,-71.79) 1092.2,-24 647,-24 -1147.59,-24 ccw(c-1147.59,-27.4) -1150,-25 cw(c-1152.4,-27.41) -1149,-27.41 -1149,-45 -1149,-68.2 ccw(c-1101.2,-68.2) -1135,-102 ccw(c-1086.72,-53.72) -1086.72,-122 -808,-122 1006.58,-122 cw(c1006.58,-221.99) 1077.29,-151.29 1131,-203 1156,-203
7.2V on Bottom Layer "Top Layer-No Net" (solid, remove dead copper, pour order 20): 749,133 709.41,133 ccw(c709.41,129.59) 707,132

## Keep-outs
Keep-Out Layer:
  circle w10: c1275.29,691 r68.9
  circle w10: c1276.29,-688 r68.9
  circle w10: c-1283.71,-687 r68.9
  circle w10: c-1283.71,691 r68.9
  lines w10: -1433,-744 -1433,792 ; -1433,-737 ccw(c-1303.08,-737) -1303.08,-866.92 ; -1432.92,791.08 cw(c-1303,791.08) -1303,921 1738,921 ; -1303.08,-867 1744,-867 ; 1738,-866.92 ccw(c1738,-737) 1867.92,-737 ; 1738.08,920.92 cw(c1738.08,791) 1868,791 1868,-743

## Other copper
Top Layer:
  text "帝江" at 1399,-650 h200
  text "CQUPT" at 1465,-745 h100
  text "2020.06" at 1416,-828 h100

## Silkscreen, mask and mechanical layers (free items; w line width, h text height)
Top Overlay:
  text "电池IN" at 1488,842 h100
  text "JLCJLCJLCJLC" at -123,811 h60
  text "GND" at -315,416 h65
  text "ADC2" at 270,416 h65
  text "ADC1" at 410,416 h65
  text "Motor2" at -179,411 h65
  text "Motor1" at 29,409 h65
  text "母板OUT" at 1536,114 h100 r90
  text "电源指示" at 1192,-406 h80
  text "Motor2" at -1227,-844 h150
  text "Motor1" at 805,-845 h150
Bottom Overlay:
  text "负" at 1585,832 h100 r90
  text "正" at 1863,740 h100 r90
  text "正" at 1845,444 h100 r90
  text "负" at 1852,237 h100 r90
Top Paste:
  lines w10: 1575,-476 1759,-476 cw(c1759,-526) 1809,-526 1809,-798 cw(c1759,-798) 1759,-848 1418,-848 cw(c1418,-798) 1368,-798 1368,-526 cw(c1418,-526) 1418,-476 1605,-476
  text "帝江" at 1399,-650 h200
  text "CQUPT" at 1465,-745 h100
  text "2020.06" at 1416,-828 h100
Bottom Paste:
  lines w78.74: -1102,-73 1072,-73 1156,-157 1158,-157 ; -678,105 1350,105 1394,61 1394,50.9
Top Solder:
  lines w10: 1632,-476 1758,-476 cw(c1758,-526) 1808,-526 1808,-797 cw(c1758,-797) 1758,-847 1418,-847 cw(c1418,-797) 1368,-797 1368,-526 cw(c1418,-526) 1418,-476 1654,-476
  text "帝江" at 1399,-650 h200
  text "CQUPT" at 1465,-745 h100
  text "2020.06" at 1416,-828 h100
Bottom Solder:
  lines w78.74: -1101,-75 1075,-75 1154,-154 1157,-154 ; -683,105 1357,105 1394,68 1394,50.9